# Altium PCB LimeSDR_Mini_1v1_Rounded.PcbDoc (part 4 of 5)
Units mm, origin at the board's own origin, x right, y up, seen from the top; angles counter-clockwise.
Board outline 69 x 31.37 mm, 8 copper layers (Top, L2, L3, L4, L5, L6, L7, Bottom), stack 1.555 mm thick; 371 components, 281 nets, 1650 pads, 777 vias.
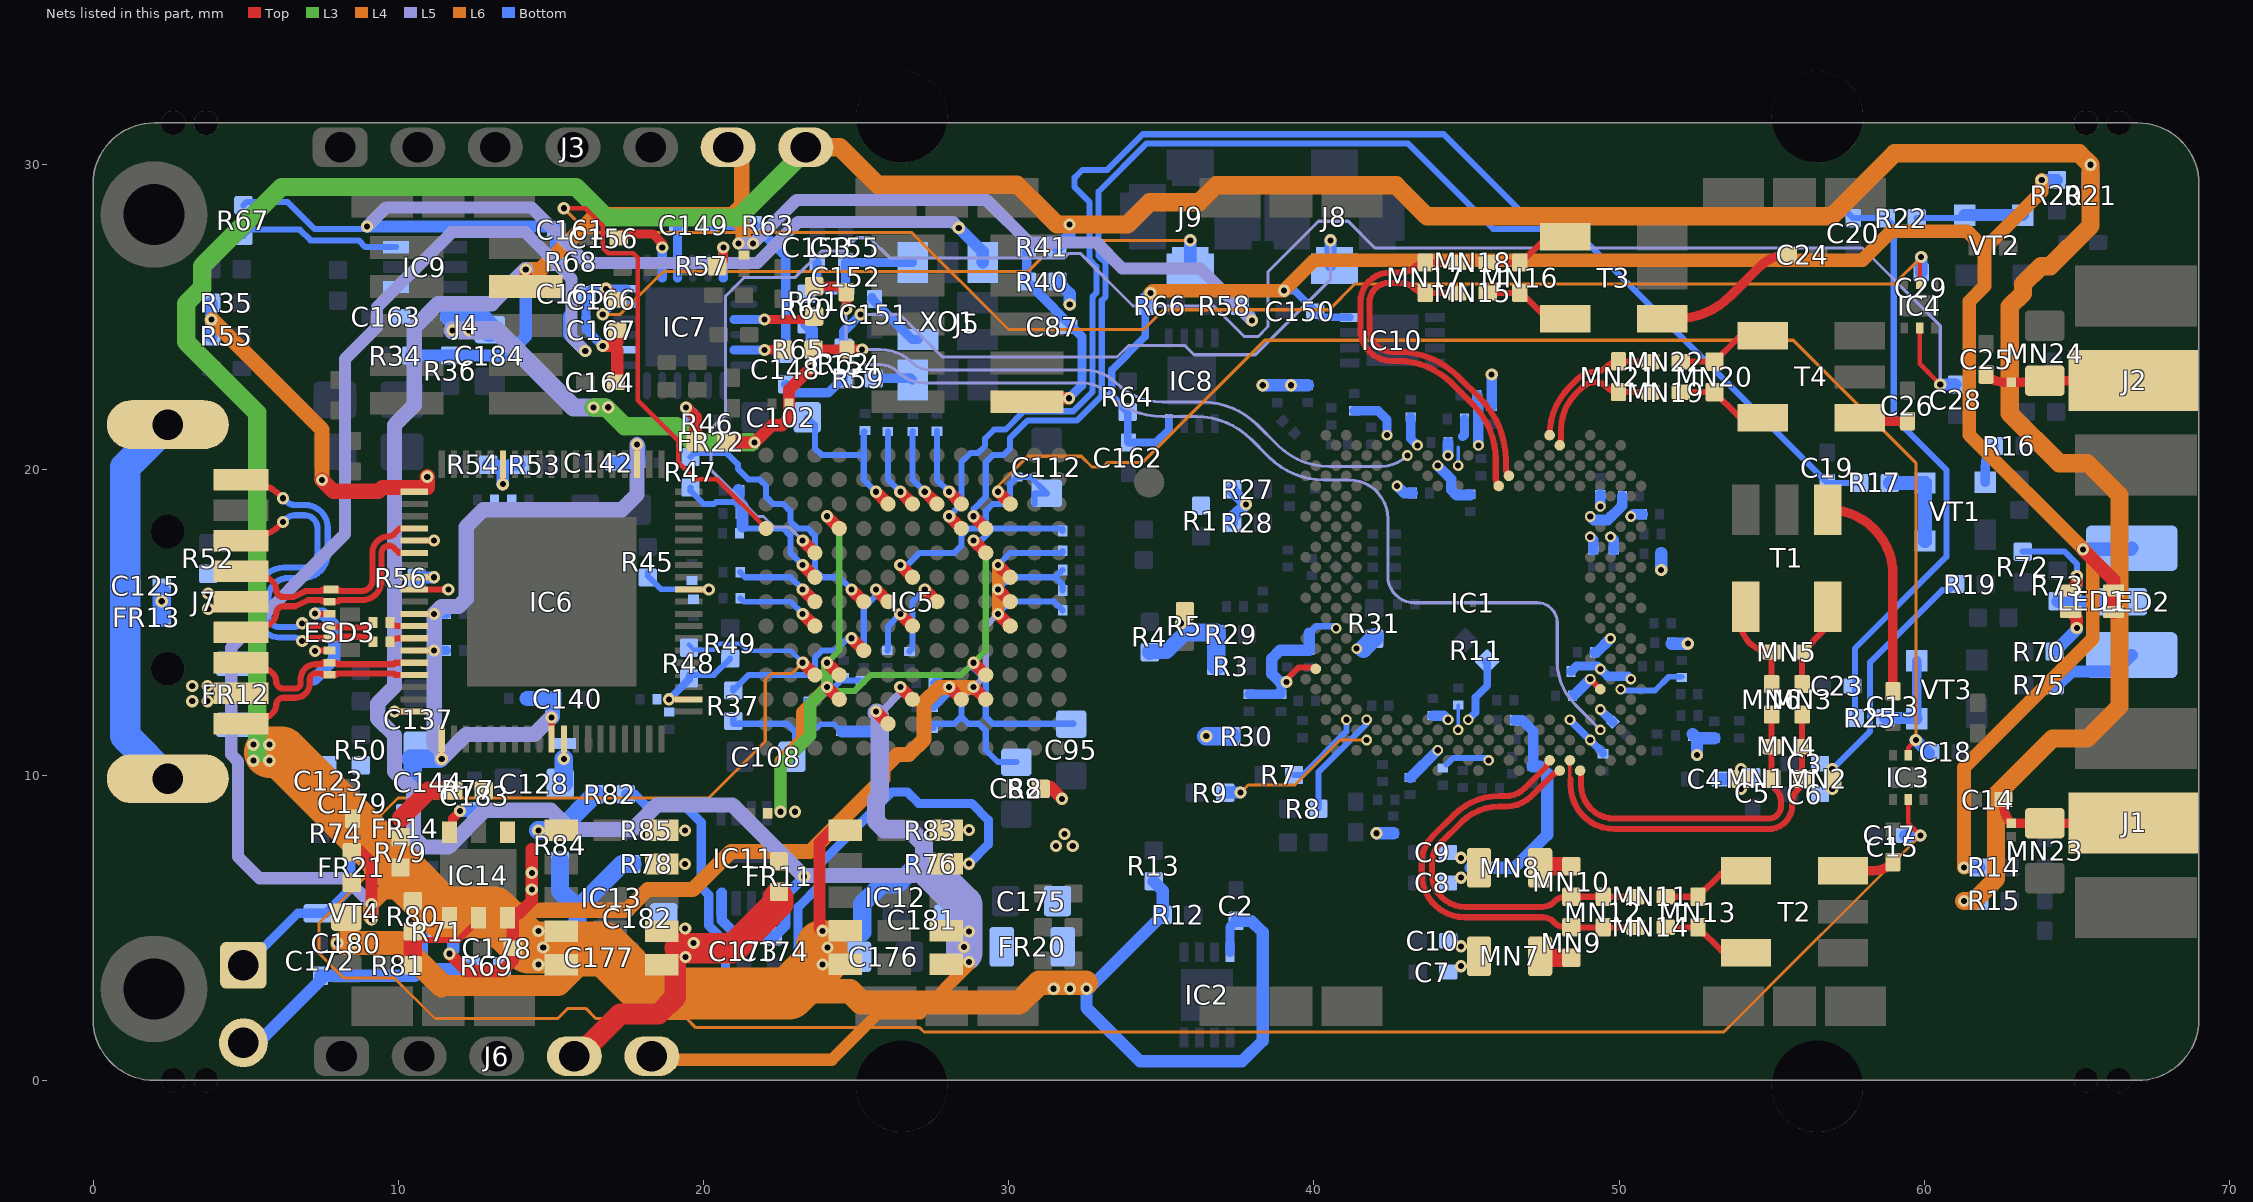
[diagram p10: the nets of this part, all layers, seen from the top]

## Via types
v1: diameter 0.4, hole 0.2, Top to Bottom, tented both sides, 543 vias
v2: diameter 0.4, hole 0.2, Top to Bottom, tented top, 113 vias
v3: diameter 0.35, hole 0.2, Top to Bottom, tented top, 87 vias
v4: diameter 0.5, hole 0.2, Top to Bottom, 25 vias
v5: diameter 0.5, hole 0.2, Top to Bottom, tented both sides, 8 vias
v6: diameter 0.35, hole 0.2, Top to Bottom, tented both sides, 1 vias

## Nets (pads, with @x,y where several pads share a name; then routed paths per layer and width w, separated by ;. In a path a pad name is that pad's centre, name@x,y a point inside that pad or via, vN(x,y) a via of type N, cw(c..) or ccw(c..) an arc to the next point about the centre after c; other vN are vias at no path point) (continued)
NetC59_1: C59.1 IC1.AL21 | length 1.7
  Bottom w0.35: v3(44.061,20.141) 44.501,19.701 44.501,19.349 44.672,19.178 C59.1@45.125,19.178
NetC60_1: C60.1 C61.1 C62.1 C63.1 IC1.L33 IC1.R31 | length 6.8
  Top w0.2: v1(39.1,13.053) 39.1,13.128 39.495,13.523 40.065,13.523 IC1.L33@40.065,13.481
  Bottom w0.22: 39.851,14.646 40.08,14.875 40.669,14.875 v3(40.731,14.813)
  Bottom w0.3: C60.1@37.875,12.653 C60.1@37.875,12.653 C61.1@38.926,12.651 38.926,12.879 v1(39.1,13.053)
  Bottom w0.37: v1(39.1,13.053) 38.887,13.053 38.625,13.315 38.625,13.825 38.894,14.094 C63.1@39.851,14.094 39.851,14.646
NetC66_1: C66.1 IC1.P4 | length 0.7
  Bottom w0.35: C66.1@49.2,14.025 49.267,14.025 v3(49.722,14.48)
NetC67_1: C67.1 IC1.D6 IC1.F8 | length 1.6
  Bottom w0.25: v3(48.39,11.816) v3(49.056,11.15) 49.474,10.732 C67.1@49.474,10.7
NetC68_1: C68.1 IC1.B16 | length 1.6
  Bottom w0.2: C68.1@44.35,10.355 44.554,10.559 45.651,10.559 v3(45.726,10.484) v3@45.768,10.442
NetC69_1: C69.1 IC1.E19 | length 0.8
  Bottom w0.11: v3(44.727,11.483) C69.1@44.727,12.296
NetC70_2: C70.2 IC1.F20 | length 0.5
  Bottom w0.35: C70.2@43.9,11.95 44.26,11.95 v3(44.394,11.816)
NetC71_1: C71.1 IC1.AJ25 | length 0.6
  Bottom w0.35: v3@42.722,19.475 v3(42.729,19.475) 42.958,19.246 C71.1@43.233,19.246
NetC72_1: C72.1 IC1.AP26 | length 1.7
  Bottom w0.3: C72.1@41.326,21.941 42.101,21.941 42.396,21.646 v3(42.396,21.14)
NetC73_1: C73.1 IC1.AN23 | length 1
  Bottom w0.3: C73.1@43.176,21.741 43.176,21.026 v3(43.395,20.807)
NetC74_1: C74.1 IC1.AM20 | length 0.4
  Bottom w0.35: v3(44.394,20.474) 44.394,20.901 C74.1@44.396,20.903
NetC75_1: C75.1 IC1.AL19 | length 1.2
  Bottom w0.11: v3(44.727,20.141) 44.726,20.746
  Bottom w0.3: 44.871,21.091 44.931,21.151 C75.1@44.931,21.671
NetC76_1: C76.1 IC1.AG5 | length 0.4
  Bottom w0.35: v3(49.389,18.809) C76.1@49.389,19.195
NetC77_2: C77.2 IC1.AD6 | length 0.5
  Bottom w0.35: v3(49.056,17.81) 49.15,17.716 C77.2@49.15,17.38
NetC78_1: C78.1 IC1.J3 | length 2.2
  Bottom w0.19: v3(50.055,12.815) 50.092,12.778 51.178,12.778 51.628,13.228 C78.1@52.05,13.228
NetC79_2: C79.2 IC1.J5 IC1.K6 | length 1.3
  Top w0.2: v3(49.056,13.148) IC1.J5@49.389,12.815
  Bottom w0.35: C79.2@48.475,12.6 48.508,12.6 v3(49.056,13.148)
NetC80_1: C80.1 IC1.G5 | length 0.6
  Bottom w0.2: C80.1@49.769,11.735 C80.1@49.803,11.735
  Bottom w0.3: v3(49.389,12.149) C80.1@49.803,11.735
NetC81_1: C81.1 IC1.K2 IC1.L5 | length 2.2
  Bottom w0.3: C81.1@48.431,13.396 48.608,13.573 49.297,13.573 49.63,13.24 50.296,13.24 v3(50.388,13.148)
  other v3: 49.389,13.481
NetC82_1: C82.1 IC1.C21 | length 1.3
  Bottom w0.35: C82.1@43.15,9.925 43.169,9.925 v3(44.061,10.817)
NetC83_1: C83.1 IC1.AF6 | length 1.6
  Bottom w0.35: v3(49.056,18.476) 49.173,18.359 49.635,18.359 50.108,18.832 C83.1@50.108,19.142
NetC84_1: C84.1 IC1.AF2 | length 0.4
  Bottom w0.35: v3(50.388,18.476) 50.462,18.55 C84.1@50.77,18.55
NetC85_1: C85.1 IC1.AD4 | length 0.5
  Bottom w0.35: v3(49.722,17.81) 49.825,17.707 C85.1@49.825,17.38
NetC86_1: C86.1 IC1.AN17 | length 1.6
  Bottom w0.34: C86.1@45.351,22.345 C86.1@45.351,22.453 ; C86.1@45.381,22.29 45.381,20.819 v3(45.393,20.807)
NetC87_2: C87.2 J5.10 R40.2 R41.2 | length 7.3
  Top w0.4: J5.10@30.6,22.2 30.75,22.35 v1(31.975,22.35)
  Bottom w0.3: R41.2@30.594,27.291 30.594,26.181 R40.2@30.6,26.175 32.4,24.375 32.4,22.775 v1(31.975,22.35)
NetC125_1: C125.1 FR13.2 J7.10 | length 12.8
  Bottom w1: J7.10@2.45,9.885 1.05,11.285 1.05,20.085 J7.10@2.45,21.485
NetC148_1: C148.1 C149.2 R63.2 | length 6.1
  Bottom w0.309: C149.2@20.175,28.025 R63.2@21.625,28.025 21.668,28.025 22.7,26.993 C148.1@22.7,23.8
NetC148_2: C148.2 R59.2 R62.2 | length 2.2
  Bottom w0.309: C148.2@22.7,22.8 22.975,22.525 24.09,22.525 24.568,23.003 R62.2@24.588,23.003
NetC149_1: C149.1 IC7.21 | length 1.8
  Bottom w0.3: IC7.21@19.15,26.285 IC7.21@19.15,26.61 19.15,28 C149.1@19.175,28.025
NetC151_2: C151.2 XO1.7 | length 2.1
  Bottom w0.3: C151.2@25.525,25.65 25.525,25.596 26.846,24.275 XO1.7@27.025,24.275
NetC153_2: C153.2 FR15.1 R60.1 | length 1.4
  Bottom w0.3: C153.2@23.725,26.8 23.725,25.95 FR15.1@24.245,25.95
NetC155_2: C155.2 FR15.2 XO1.9 | length 3.1
  Bottom w0.3: FR15.2@24.805,25.95 24.65,26.105 C155.2@24.65,26.8 XO1.9@26.85,26.8
NetC156_2: C156.2 IC7.20 | length 2.7
  Top w0.3: C156.2@17.225,27.6 17.36,27.735 18.336,27.735 18.65,27.421 v1(18.65,27.285)
  Bottom w0.3: IC7.20@18.65,26.285 IC7.20@18.65,26.61 v1(18.65,27.285)
NetC163_1: C163.1 FR17.2 IC9.4
NetC172_1: C172.1 J10.2 R69.2 R71.2 | length 9.8
  Bottom w0.4: J10.2@4.925,1.23 5.403,1.23 7.45,3.277 C172.1@7.45,3.425 10.545,3.425 10.77,3.65 ; R71.2@10.8,4.85 10.77,4.82 10.77,3.65 ; R69.2@12.4,3.75 12.3,3.65 10.77,3.65
NetC183_2: C183.2 IC14.3 | length 1.3
  Top w0.3: IC14.3@11.675,8.125 11.775,8.225 11.775,8.575 v1(12.025,8.825)
  Bottom w0.4: v1(12.025,8.825) C183.2@12.5,8.825
NetIC1_D28: IC1.D28 R9.1 | length 5.3
  L4 w0.1: v1(37.6,9.428) 37.847,9.675 39.375,9.675 40.85,11.15 v3(41.73,11.15)
  Bottom w0.4: R9.1@37.1,9.428 v1(37.6,9.428)
NetIC1_F18: IC1.F18 R11.1 | length 2.2
  Bottom w0.25: v3(45.06,11.816) 45.298,12.054 45.298,12.551 45.681,12.934 45.681,13.666 R11.1@45.63,13.718
NetIC1_F28: IC1.F28 R8.1 | length 3.6
  Bottom w0.2: R8.1@40.15,8.903 40.15,10.1 41.73,11.68 v3(41.73,11.816)
NetIC1_F30: IC1.F30 R7.1 | length 2.7
  Bottom w0.2: R7.1@39.35,10.003 39.628,10.003 41.064,11.439 v3(41.064,11.816)
NetIC5_E5: IC5.E5 R37.2 | length 5.4
  Top w0.4: v2(24.85,14.485) IC5.E5@25.25,14.085
  Bottom w0.2: R37.2@20.975,12.775 21.484,13.285 23.416,13.285 23.65,13.519 23.65,13.851 23.884,14.085 24.322,14.085 24.722,14.485 v2(24.85,14.485) ; R37.2@20.975,12.85 R37.2@21.012,12.813
NetIC5_E7: IC5.E7 R47.2 | length 8.9
  Top w0.4: v2(24.85,16.085) IC5.E7@25.25,15.685
  Bottom w0.2: R47.2@19.575,20.425 19.7,20.55 20.766,20.55 21.125,20.191 21.125,20.044 21.484,19.685 21.84,19.685 22.05,19.475 22.05,19.119 22.284,18.885 22.616,18.885 22.85,18.651 22.85,18.319 23.084,18.085 23.416,18.085 23.65,17.851 23.65,16.719 23.884,16.485 24.45,16.485 v2(24.85,16.085)
NetIC6_27: IC6.27 R56.2 | length 1.2
  Top w0.2: IC6.27@10.525,16.485 v1(11.175,16.485)
  Bottom w0.4: R56.2@10.6,16.475 11.165,16.475 v1(11.175,16.485)
NetIC7_3: IC7.3 R61.2 | length 2.6
  Top w0.3: v1(22,24.935) 23.408,24.935 ccw(c23.408,25.242) R61.2@23.625,25.025
  Bottom w0.3: IC7.3@21,24.935 IC7.3@21.325,24.935 v1(22,24.935)
NetIC7_5: IC7.5 R65.2 | length 1.6
  Top w0.309: v1(22,23.935) 22.564,23.935 ccw(c22.564,23.986) R65.2@22.6,23.95
  Bottom w0.3: IC7.5@21,23.935 IC7.5@21.325,23.935 v1(22,23.935)
NetIC7_24: IC7.24 R57.1 | length 1.7
  Top w0.3: R57.1@20.45,26.675 20.65,26.875 v1(20.65,27.285)
  Bottom w0.3: IC7.24@20.65,26.285 IC7.24@20.65,26.61 v1(20.65,27.285)
NetIC9_6: IC9.6 R67.2 | length 5.3
  Bottom w0.2: R67.2@4.925,27.675 5.125,27.875 6.775,27.875 7.125,27.525 8.7,27.525 8.925,27.3 IC9.6@9.925,27.3
NetIC12_11: IC12.11 R83.2
  other v1: 28.701,8.2
NetIC13_1: IC13.1 R82.1 R84.2 | length 2.4
  Bottom w0.6: v1(14.588,8.19) 15.265,8.19 R82.1@16.45,9.375
NetIC13_10: IC13.10 R78.1
  other v1: 19.39,7.09
NetIC13_11: IC13.11 R85.2
  other v1: 19.39,8.19
NetIC14_4: IC14.4 R79.1 R80.2
NetIC14_5: IC14.5 R80.1 R81.1 | length 3.5
  Top w0.2: R80.1@10.6,4.6 11.984,4.6 12.625,5.241 IC14.5@12.625,5.325
  Top w0.6: R81.1@10.475,3.775 R80.1@10.475,4.875
NetJ7_7: J7.7 R52.2
  other v1: 3.775,15.45 3.775,15.95
NetJ10_1: J10.1 R74.2 VT4.D | length 6.3
  Bottom w0.3: J10.1@4.925,3.77 5.006,3.77 6.711,5.475 VT4.D@7.4,5.475 7.625,5.475 8.45,6.3 R74.2@8.45,8.075
NetLED1_3: LED1.3 R70.1 | length 1.7
  Top w0.4: LED1.3@64.8,15.35 65,15.15 v1(65,14.825)
  Bottom w0.4: R70.1@64.275,14.05 65,14.775 v1(65,14.825)
NetLED1_4: LED1.4 R72.1 | length 2.9
  Top w0.4: LED1.4@64.8,16.05 65,16.25 v1(65,16.525)
  Bottom w0.2: R72.1@63.225,17.325 64.598,17.325 65,16.923 v1(65,16.525)
NetLED2_C1: LED2.C1 R75.1 | length 3.1
  Bottom w0.4: R75.1@64.15,12.95 64.375,12.95 64.825,13.4 66.265,13.4 LED2.C1@66.8,13.935
NetLED2_C2: LED2.C2 R73.1 | length 1.9
  Bottom w0.4: R73.1@64.375,15.7 64.39,15.685 LED2.C2@66.3,15.685
NetMN7_1: MN7.1 MN9.2 | length 1
  Top w0.6: MN7.1@47.412,4.067 47.464,4.015 MN9.2@48.435,4.015
NetMN8_1: MN8.1 MN10.2 | length 1
  Top w0.6: MN8.1@47.412,6.967 47.46,7.015 MN10.2@48.435,7.015
NetR16_2: R16.2 VT1.2 | length 1.3
  Bottom w0.309: VT1.2@62,19.6 62,20.093 cw(c62.982,20.093) R16.2@62.287,20.787
NetR17_1: R17.1 VT1.3 VT1.4 | length 3
  Bottom w0.45: R17.1@58.875,19.575 VT1.3@60.025,19.575 VT1.4@60.025,17.675
NetR22_2: R22.2 VT2.3 VT2.4 | length 3.5
  Bottom w0.2: R22.2@59.75,28.25 61.225,28.25 VT2.4@61.325,28.35
  Bottom w0.4: VT2.4@61.325,28.35 VT2.3@63.225,28.35
NetR25_1: R25.1 VT3.3 VT3.4 | length 2.9
  Bottom w0.309: VT3.4@59.75,11.85 VT3.3@59.75,13.75
  Bottom w0.4: R25.1@58.725,11.875 59.725,11.875 VT3.4@59.75,11.85
NetR59_1: R59.1 XO1.6 | length 1.3
  Bottom w0.309: R59.1@25.575,23 26.8,23 XO1.6@26.85,22.95
PG_VCC1P8: IC12.10 R76.1 R82.2 | length 23.3
  Bottom w0.3: R82.2@17.45,9.375 17.75,9.375 18.125,9 19.375,9 19.925,8.45 19.925,6.325 20.175,6.075 20.175,5.775 20.175,5.074 20.725,4.524 20.725,3.451 21.076,3.1 22.574,3.1 23.1,3.626 23.1,5.675 23.825,6.4 23.825,7.1 26.175,9.45 26.676,9.45 27.051,9.075 28.787,9.075 29.336,8.526 29.336,7.735 v1(28.701,7.1)
REF_CLK_IN: J8.1 R62.1 | length 20.7
  L5 w0.1: v1(25.15,25.1) 26.425,25.1 27.825,23.7 33.55,23.7 33.925,24.075 35.775,24.075 36.075,23.775 38.075,23.775 40.55,26.25 v1(40.55,27.525)
  Bottom w0.3: R62.1@24.588,24.002 24.588,24.538 v1(25.15,25.1)
  Bottom w0.4: J8.1@40.55,26.7 v1(40.55,27.525)
REF_CLK_OUT: IC7.17 J9.1 | length 22
  L6 w0.1: v1(16.7,25.1) 17.275,25.1 18.675,26.5 30.625,26.5 31.65,27.525 v1(35.95,27.525)
  Bottom w0.25: v1(16.7,25.1) 17.035,25.435 IC7.17@17.475,25.435
  Bottom w0.4: J9.1@35.95,26.7 v1(35.95,27.525)
RFSW_RX_V1: C29.2 IC4.5 IC5.A10 | length 63
  Top w0.15: v1(15.425,28.575) 16.125,28.575 16.7,28 16.7,27.275 16.875,27.1 17.7,27.1 17.85,26.95 17.85,22.285 19.175,20.96 19.175,20.25 19.725,19.7 20.435,19.7 IC5.A10@22.05,18.085 ; IC4.5@59.85,26.1 v1@59.85,26.975
  L4 w0.1: v1(15.425,28.575) 16.225,27.775 26.825,27.775 30,24.6 34.425,24.6 35.075,25.25 40.5,25.25 41.35,26.1 59.025,26.1 v1(59.9,26.975)
  Bottom w0.4: C29.2@59.9,26.475 v1(59.9,26.975)
RFSW_RX_V2: C28.2 IC4.2 IC5.C9 | length 61.1
  Top w0.15: IC4.2@59.85,24.65 59.85,23.475 v1(60.525,22.8)
  Top w0.4: v2(23.25,17.685) IC5.C9@23.65,17.285
  L5 w0.1: v2(23.25,17.685) 22.81,18.125 22.315,18.125 21.965,18.475 21.765,18.475 20.25,19.99 20.25,21.355 20.725,21.83 20.725,25.7 21.325,26.3 22.992,26.3 23.867,27.175 24.59,27.175 25.025,27.61 25.44,27.61 26.1,26.95 31.825,26.95 31.975,27.1 32.35,27.1 34.075,25.375 36.72,25.375 37.72,24.375 38.175,24.375 38.5,24.7 38.5,26.5 40.15,28.15 41.125,28.15 42,27.275 57.975,27.275 60.525,24.725 v1(60.525,22.8)
  Bottom w0.4: v1(60.525,22.8) C28.2@61.025,22.8
RFSW_TX_V1: C18.2 IC3.5 IC5.L11 | length 45.1
  Top w0.15: IC3.5@59.475,10.65 59.475,10.9 v1(59.725,11.15)
  Top w0.4: v2(29.65,19.285) IC5.L11@30.05,18.885
  L4 w0.1: v2(29.65,19.285) 29.65,19.475 30.625,20.45 32.38,20.45 32.73,20.1 33.1,20.1 33.25,20.25 34.391,20.25 38.391,24.25 55.709,24.25 59.725,20.234 v1(59.725,11.15)
  Bottom w0.4: v1(59.725,11.15) C18.2@60.15,10.725
RFSW_TX_V2: C17.2 IC3.2 IC5.C4 R48.2 | length 85.5
  Top w0.15: IC3.2@59.475,9.2 59.475,8.425 v1(59.875,8.025)
  Top w0.4: v2(23.25,13.685) IC5.C4@23.65,13.285
  L6 w0.1: v2(23.25,13.685) 22.89,13.325 22.225,13.325 22.025,13.125 22.025,11.1 20.175,9.25 9.991,9.25 8.925,8.184 8.925,6.675 7.4,5.15 7.4,4.166 8.216,3.35 9.875,3.35 11.2,2.025 15.225,2.025 15.56,2.36 16.14,2.36 16.475,2.025 19.45,2.025 19.75,1.725 27.085,1.725 27.225,1.585 53.435,1.585 v1(59.875,8.025)
  Bottom w0.15: R48.2@19.525,14.275 19.69,14.11 20.33,14.11 20.52,14.3 21.212,14.3 21.437,14.075 22.86,14.075 v2(23.25,13.685)
  Bottom w0.4: C17.2@59.375,8.025 v1(59.875,8.025)
RX: C25.2 ESD2.1 J2.1 MN24.1 | length 4.9
  Top w0.309: C25.2@62.025,23.125 62.028,23.122 ccw(c62.625,23.72) 62.625,22.875 ESD2.1@62.85,22.875 63.829,22.875 ccw(c63.829,23.046) MN24.1@63.95,22.925 66.815,22.925 ccw(c66.815,22.968) J2.1@66.845,22.937
RX1_H: C24.2 T3.3 | length 4.8
  Top w0.309: T3.3@51.415,24.955 51.853,24.955 ccw(c51.853,27.495) 53.649,25.699 54.629,26.679 cw(c55.525,25.783) C24.2@55.525,27.05
RX1_H_A_N: IC1.AJ15 MN17.1 MN18.2 | length 12.4
  Top w0.2: MN17.1@43.657,26.8 MN17.1@43.65,26.8 ; MN18.2@44.7,26.8 MN17.1@43.65,26.8 ; IC1.AJ15@46.059,19.475 cw(c46.3,19.716) 45.959,19.716 45.959,20.341 ccw(c43.394,20.341) 45.208,22.155 44.532,22.831 ccw(c42.735,21.035) 42.735,23.575 42.55,23.575 cw(c42.55,24.6) 41.525,24.6 41.525,25.5 cw(c42.495,25.5) 42.495,26.47 42.853,26.47 ccw(c42.853,27.089) 43.291,26.651 cw(c43.65,26.292) MN17.1@43.65,26.8
RX1_H_A_P: IC1.AK14 MN15.2 MN17.2 | length 11.6
  Top w0.2: MN15.2@44.7,25.8 MN17.2@43.65,25.8 cw(c43.65,26.308) 43.291,25.949 ccw(c42.853,25.511) 42.853,26.13 42.455,26.13 ccw(c42.455,25.5) 41.825,25.5 41.825,24.6 ccw(c42.55,24.6) 42.55,23.875 42.742,23.875 cw(c42.742,21.035) 44.75,23.043 45.448,22.345 cw(c43.411,20.308) 46.292,20.308 46.292,20.225 46.292,20.049 ccw(c46.633,20.049) IC1.AK14@46.392,19.808
RX1_H_B_N: MN16.1 MN18.1 T3.6 | length 2.8
  Top w0.2: MN18.1@45.7,26.8 MN16.1@46.75,26.8 ; MN16.1@46.8,26.8 47.558,27.558 cw(c48.19,26.927) T3.6@48.19,27.82
RX1_H_B_P: MN15.1 MN16.2 T3.4 | length 2.8
  Top w0.2: MN15.1@45.7,25.8 46.1,25.8 MN16.2@46.75,25.8 ; MN16.2@46.8,25.8 47.576,25.024 ccw(c48.165,25.613) T3.4@48.165,24.78
RX1_W: C26.2 T4.3 | length 1.3
  Top w0.309: T4.3@58.225,21.506 ccw(c58.191,21.506) 58.215,21.53 cw(c58.384,21.361) 58.384,21.6 C26.2@59.45,21.6
RX2_W_A_N: IC1.AP10 MN21.1 MN22.2 | length 4.6
  Top w0.2: IC1.AP10@47.724,21.14 cw(c49.958,21.14) 48.378,22.72 48.634,22.976 cw(c49.224,22.386) 49.224,23.22 ccw(c49.224,23.728) 49.583,23.369 ; 49.616,23.401 cw(c49.975,23.042) MN21.1@49.975,23.55 ; MN21.1@49.982,23.55 MN22.2@51.025,23.55
RX2_W_A_P: IC1.AN9 MN19.2 MN21.2 | length 4.5
  Top w0.2: IC1.AN9@48.057,20.807 ccw(c47.953,20.911) 48.1,20.911 48.1,21.325 cw(c49.771,21.325) 48.589,22.507 48.778,22.695 cw(c49.224,22.249) 49.224,22.88 cw(c49.224,22.372) 49.583,22.731 49.616,22.699 ccw(c49.975,23.058) 49.975,22.55 MN19.2@51.025,22.55
RX2_W_B_N: MN20.1 MN22.1 T4.6 | length 2.8
  Top w0.2: MN22.1@52.025,23.55 MN20.1@53.075,23.55 ; MN20.1@53.125,23.55 53.883,24.308 cw(c54.515,23.677) T4.6@54.515,24.57
RX2_W_B_P: MN19.1 MN20.2 T4.4 | length 3.2
  Top w0.2: MN19.1@52.025,22.55 52.425,22.55 MN20.2@53.075,22.55 ; MN20.2@53.125,22.55 53.883,21.792 ccw(c54.515,22.423) T4.4@54.515,21.53 ; T4.4@54.12,21.53 T4.4@54.465,21.53
RXPLL_CLK: C154.2 IC1.AM24 R65.1 | length 20.7
  Top w0.309: R65.1@23.6,23.95 C154.2@24.717,23.95 ; C154.2@24.7,23.95 v1(25.2,23.95)
  L5 w0.1: v1(25.2,23.95) 25.799,23.95 cw(c25.799,22.499) 26.825,23.525 ccw(c27.429,24.129) 27.429,23.275 32.499,23.275 cw(c32.499,21.824) 33.525,22.85 ccw(c35.034,24.359) 35.034,22.225 36.348,22.225 cw(c36.348,19.685) 38.144,21.481 38.806,20.819 ccw(c40.504,22.517) 40.504,20.116 42.203,20.116 ccw(c42.203,21.324) v3@43.057,20.469
  other v3: 43.062,20.474
TCXO_VC: C161.2 R67.1 R68.1 XO1.1 | length 34.3
  L5 w0.4: v1(8.975,27.975) 9.6,28.6 14.363,28.6 16.178,26.785 21.76,26.785 23.1,28.125 28.175,28.125 v1(28.365,27.935)
  Bottom w0.2: R67.1@4.925,28.675 5.025,28.775 6.375,28.775 7.25,27.9 8.9,27.9 v1(8.975,27.975)
  Bottom w0.4: v1(8.975,27.975) 15.075,27.975 C161.2@15.175,27.875 R68.1@15.175,26.825 ; v1(28.365,27.935) 29.15,27.15 XO1.1@29.15,26.8
TX: C14.2 ESD1.1 J1.1 MN23.1 | length 4.8
  Top w0.309: C14.2@62.6,9.2 62.6,9.029 ccw(c63.454,9.029) ESD1.1@62.85,8.425 MN23.1@63.95,8.425 66.815,8.425 ccw(c66.815,8.468) J1.1@66.845,8.437
TX1_1: C13.2 T1.3 | length 7.2
  Top w0.309: T1.3@56.845,18.7 cw(c56.845,16.57) 58.975,16.57 C13.2@58.975,12.75
TX1_1_A_N: IC1.A7 MN1.1 MN4.1 MN6.2 | length 11.1
  Top w0.2: IC1.A7@48.723,10.101 48.757,10.067 48.757,9.675 ccw(c49.857,9.675) 49.857,8.575 54.9,8.575 ccw(c54.9,8.979) 55.304,8.979 55.304,9.146 ccw(c54.796,9.146) 55.155,9.505 ; IC1.A7@48.723,10.151 IC1.A7@48.758,10.116 ; MN1.1@55,9.695 55,9.877 MN4.1@55,10.935 MN6.2@55,11.985 ; MN1.1@55.001,9.87 ccw(c55.509,9.87) 55.149,9.51
TX1_1_A_P: IC1.B8 MN2.1 MN3.1 MN4.2 | length 12.3
  Top w0.11: 48.39,9.916 48.39,10.128 IC1.B8@48.39,10.484
  Top w0.2: 48.414,9.881 48.414,9.675 ccw(c49.854,9.675) 49.854,8.235 54.9,8.235 ccw(c54.9,9.006) 55.671,9.006 55.671,9.119 cw(c56.179,9.119) 55.819,9.478 55.852,9.51 ccw(c55.493,9.87) MN2.1@56.001,9.87 ; MN2.1@56,9.885 56,10.285 MN4.2@56,10.935 MN3.1@56,11.985
TX1_1_B_N: MN5.2 MN6.1 T1.6 | length 2.7
  Top w0.2: T1.6@53.98,15.055 ccw(c55,15.055) MN5.2@55,14.035 MN6.1@55,12.985
TX1_1_B_P: MN3.2 MN5.1 T1.4 | length 2.8
  Top w0.2: MN3.2@56,12.985 MN5.1@56,14.035 56.776,14.811 ccw(c56.187,15.4) T1.4@57.02,15.4
TX1_2: C15.2 T2.1 | length 1.9
  Top w0.309: T2.1@57.19,6.87 T2.1@57.34,6.87 58.35,6.87 ccw(c58.35,7.703) 58.939,7.114 C15.2@58.975,7.15
TX2_1_A_N: IC1.B10 MN9.1 MN12.2 MN14.1 | length 14
  Top w0.2: IC1.B10@47.724,10.484 47.689,10.449 ccw(c47.848,10.291) 47.624,10.291 46.891,9.559 cw(c46.303,10.147) 46.303,9.315 46.075,9.315 ccw(c46.075,7.225) 44.597,8.703 43.885,7.99 ccw(c44.729,7.146) 43.535,7.146 43.535,6.76 ccw(c44.95,6.76) 44.95,5.345 47.495,5.345 cw(c47.495,4.837) 47.854,5.196 47.886,5.164 ccw(c48.246,5.523) 48.246,5.015 MN9.1@48.435,5.015 MN12.2@49.485,5.015 MN14.1@50.535,5.015